# Altium PCB MiniSystem-Pcb-All.PcbDoc (part 8 of 8)
Units mil, origin at the board's own origin, x right, y up, seen from the top; angles counter-clockwise.
Board outline 1732.28 x 669.29 mil, 2 copper layers (Top Layer, Bottom Layer); 690 components, 49 nets, 1630 pads, 330 vias.
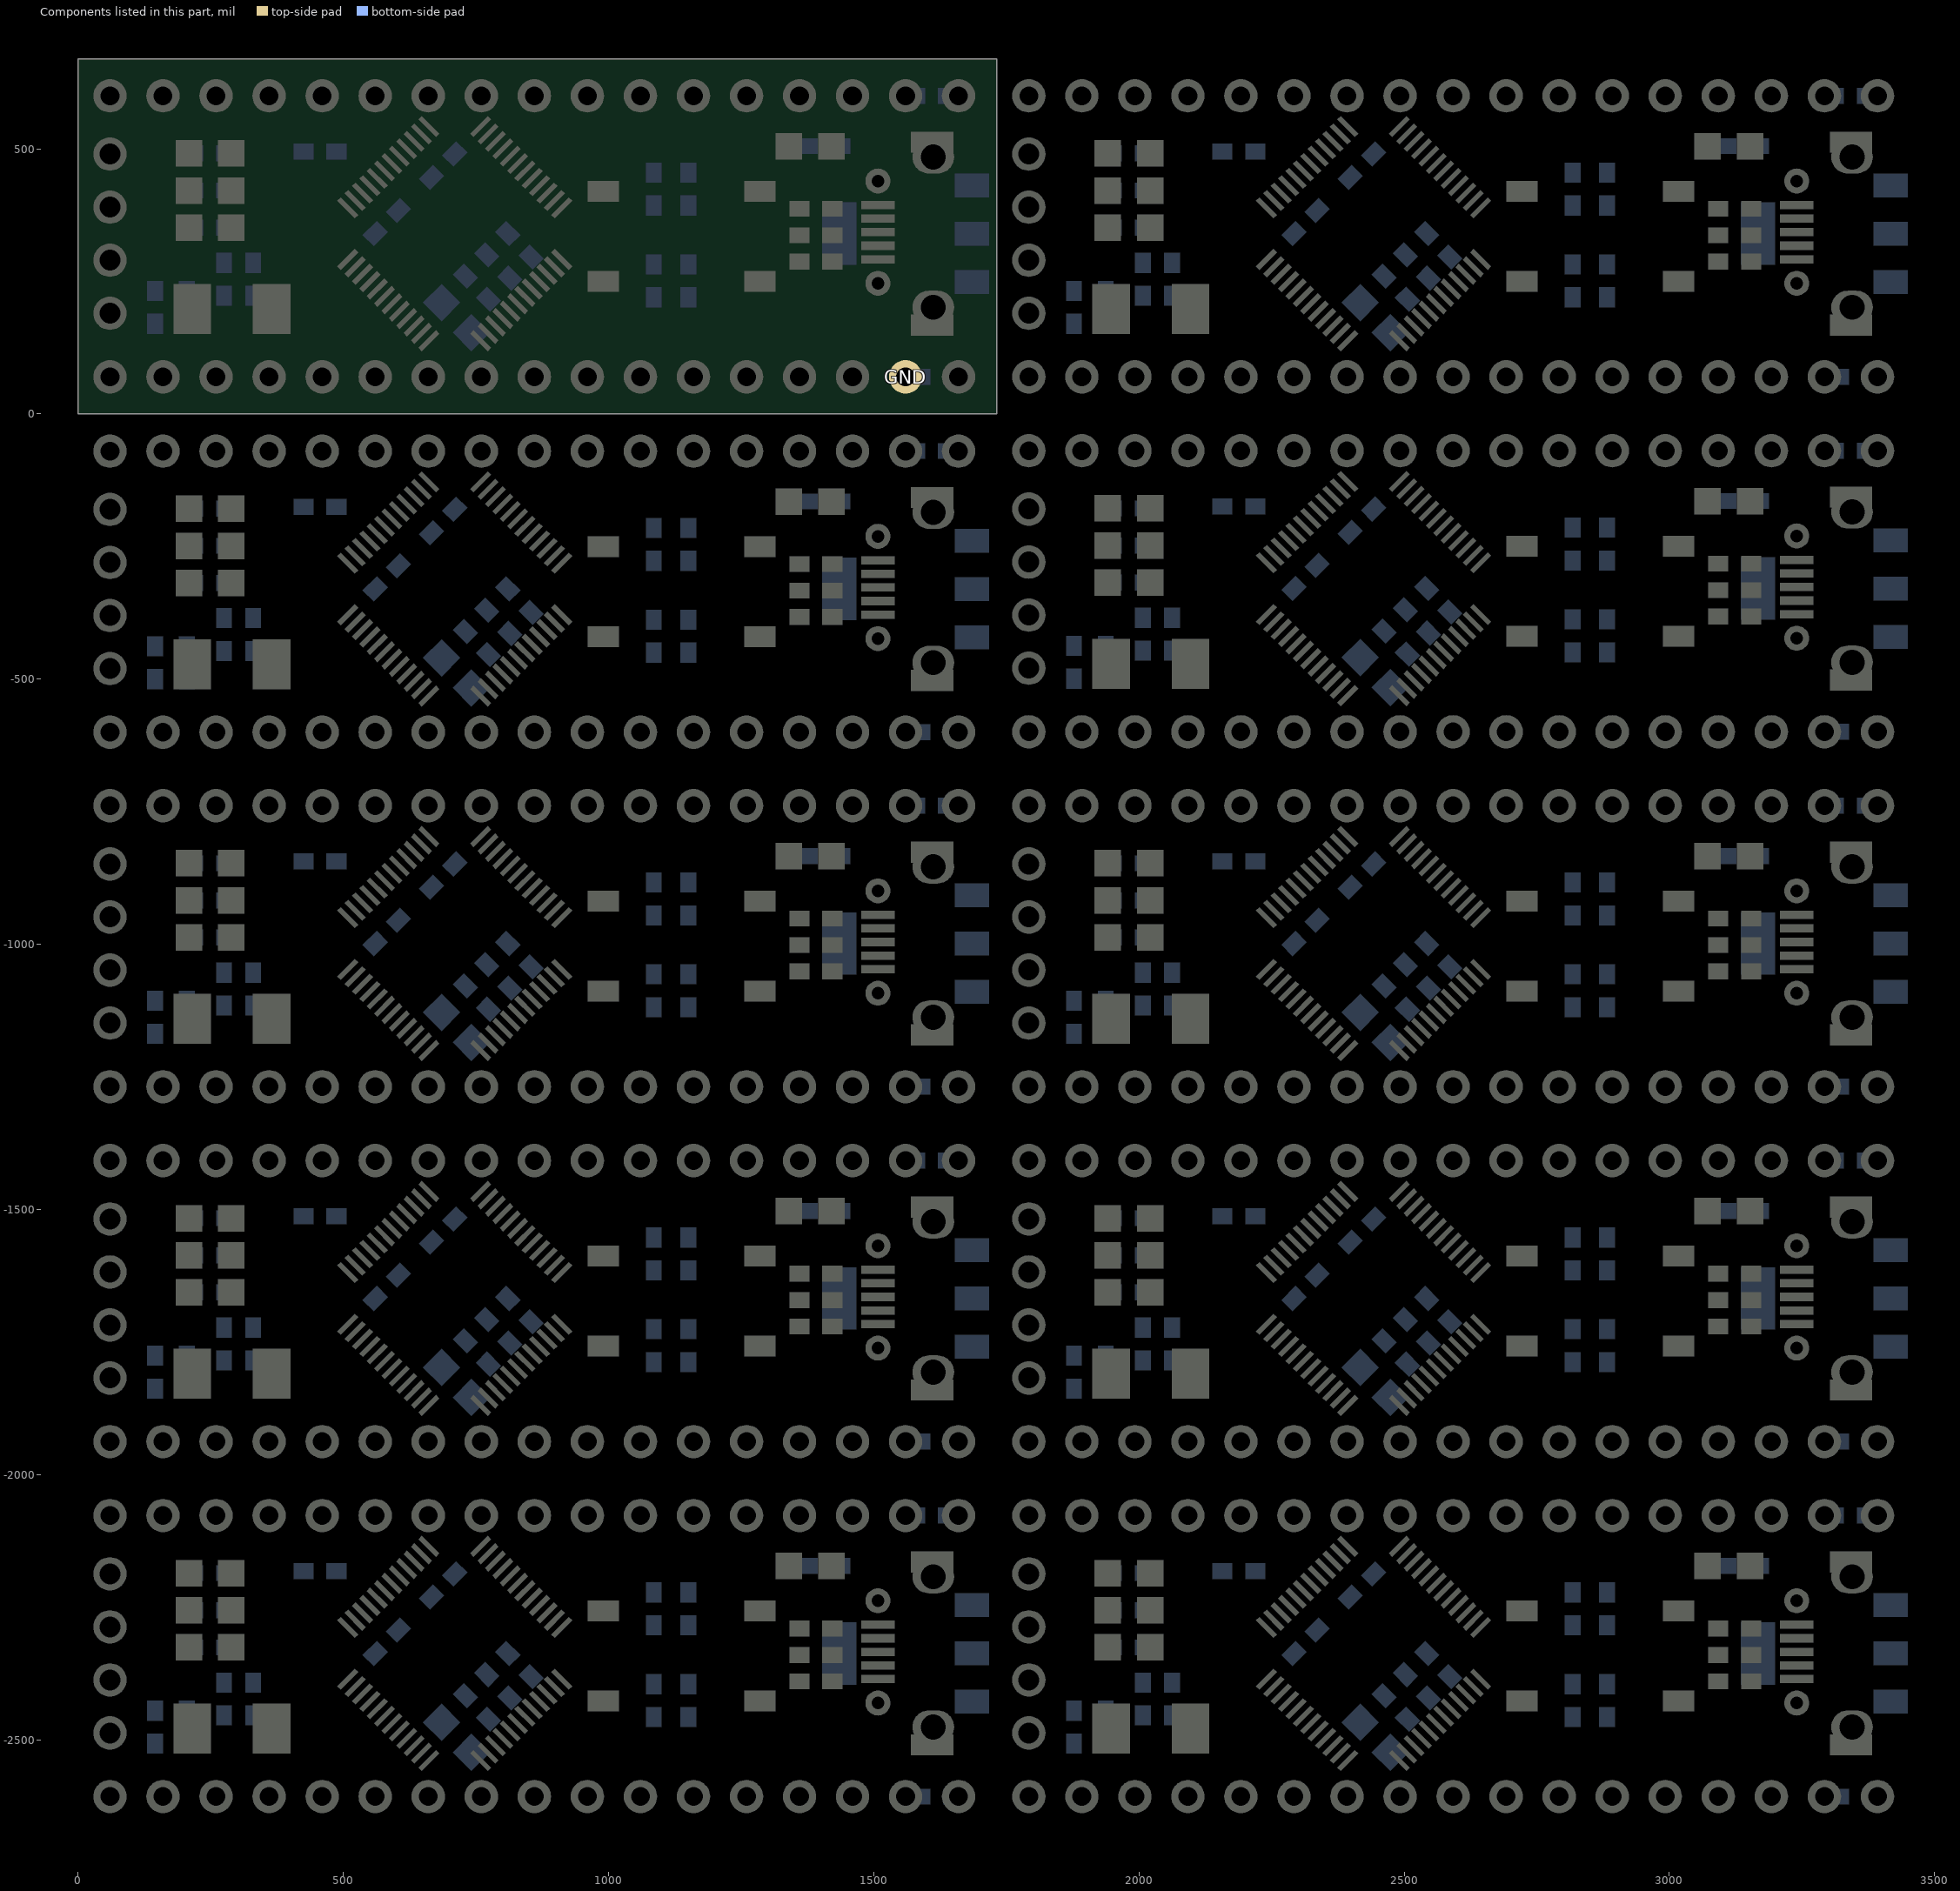
[diagram p8: the components of this part, seen from the top]

## Via types
v1: diameter 24, hole 12, Top Layer to Bottom Layer, 320 vias
v2: diameter 50, hole 30, Top Layer to Bottom Layer, 10 vias

## Nets (pads, with @x,y where several pads share a name; then routed paths per layer and width w, separated by ;. In a path a pad name is that pad's centre, name@x,y a point inside that pad or via, vN(x,y) a via of type N, cw(c..) or ccw(c..) an arc to the next point about the centre after c; other vN are vias at no path point) (continued)
copper on no net: (continued)
  Bottom Layer w10: 621.41,-2275.76 cw(c633.35,-2287.71) 633.35,-2270.81 cw(c633.35,-2287.71) 645.3,-2275.76 cw(c657.25,-2263.81) 640.35,-2263.81 cw(c657.25,-2263.81) 645.3,-2251.86 cw(c633.35,-2239.91) 633.35,-2256.81 cw(c633.35,-2239.91) 621.41,-2251.86 cw(c609.46,-2263.81) 626.35,-2263.81 cw(c609.46,-2263.81) 621.41,-2275.76 ; 621.41,-1606.47 cw(c633.35,-1618.42) 633.35,-1601.52 cw(c633.35,-1618.42) 645.3,-1606.47 cw(c657.25,-1594.52) 640.35,-1594.52 cw(c657.25,-1594.52) 645.3,-1582.57 cw(c633.35,-1570.62) 633.35,-1587.52 cw(c633.35,-1570.62) 621.41,-1582.57 cw(c609.46,-1594.52) 626.35,-1594.52 cw(c609.46,-1594.52) 621.41,-1606.47 ; 621.41,-937.18 cw(c633.35,-949.13) 633.35,-932.23 cw(c633.35,-949.13) 645.3,-937.18 cw(c657.25,-925.23) 640.35,-925.23 cw(c657.25,-925.23) 645.3,-913.28 cw(c633.35,-901.33) 633.35,-918.23 cw(c633.35,-901.33) 621.41,-913.28 cw(c609.46,-925.23) 626.35,-925.23 cw(c609.46,-925.23) 621.41,-937.18 ; 621.41,-268.59 cw(c633.35,-280.54) 633.35,-263.64 cw(c633.35,-280.54) 645.3,-268.59 cw(c657.25,-256.64) 640.35,-256.64 cw(c657.25,-256.64) 645.3,-244.7 cw(c633.35,-232.75) 633.35,-249.64 cw(c633.35,-232.75) 621.41,-244.7 cw(c609.46,-256.64) 626.35,-256.64 cw(c609.46,-256.64) 621.41,-268.59 ; 2353.69,-2275.76 cw(c2365.64,-2287.71) 2365.64,-2270.81 cw(c2365.64,-2287.71) 2377.59,-2275.76 cw(c2389.54,-2263.81) 2372.64,-2263.81 cw(c2389.54,-2263.81) 2377.59,-2251.86 cw(c2365.64,-2239.91) 2365.64,-2256.81 cw(c2365.64,-2239.91) 2353.69,-2251.86 cw(c2341.74,-2263.81) 2358.64,-2263.81 cw(c2341.74,-2263.81) 2353.69,-2275.76 ; 2353.69,-1606.47 cw(c2365.64,-1618.42) 2365.64,-1601.52 cw(c2365.64,-1618.42) 2377.59,-1606.47 cw(c2389.54,-1594.52) 2372.64,-1594.52 cw(c2389.54,-1594.52) 2377.59,-1582.57 cw(c2365.64,-1570.62) 2365.64,-1587.52 cw(c2365.64,-1570.62) 2353.69,-1582.57 cw(c2341.74,-1594.52) 2358.64,-1594.52 cw(c2341.74,-1594.52) 2353.69,-1606.47 ; 2353.69,-937.18 cw(c2365.64,-949.13) 2365.64,-932.23 cw(c2365.64,-949.13) 2377.59,-937.18 cw(c2389.54,-925.23) 2372.64,-925.23 cw(c2389.54,-925.23) 2377.59,-913.28 cw(c2365.64,-901.33) 2365.64,-918.23 cw(c2365.64,-901.33) 2353.69,-913.28 cw(c2341.74,-925.23) 2358.64,-925.23 cw(c2341.74,-925.23) 2353.69,-937.18 ; 2353.69,-267.89 cw(c2365.64,-279.84) 2365.64,-262.94 cw(c2365.64,-279.84) 2377.59,-267.89 cw(c2389.54,-255.94) 2372.64,-255.94 cw(c2389.54,-255.94) 2377.59,-243.99 cw(c2365.64,-232.04) 2365.64,-248.94 cw(c2365.64,-232.04) 2353.69,-243.99 cw(c2341.74,-255.94) 2358.64,-255.94 cw(c2341.74,-255.94) 2353.69,-267.89 ; 2353.69,401.41 cw(c2365.64,389.46) 2365.64,406.36 cw(c2365.64,389.46) 2377.59,401.41 cw(c2389.54,413.36) 2372.64,413.36 cw(c2389.54,413.36) 2377.59,425.3 cw(c2365.64,437.25) 2365.64,420.36 cw(c2365.64,437.25) 2353.69,425.3 cw(c2341.74,413.36) 2358.64,413.36 cw(c2341.74,413.36) 2353.69,401.41
  Bottom Layer w20: 60,-2387.17 80,-2367.17 145,-2367.17 ; 60,-1717.87 80,-1697.87 145,-1697.87 ; 60,-1048.58 80,-1028.58 145,-1028.58 ; 60,-380 80,-360 145,-360 ; 61.18,-2388.09 cw(c104.03,-2421.51) 104.03,-2367.17 ; 61.18,-1718.79 cw(c104.03,-1752.22) 104.03,-1697.87 ; 61.18,-1049.5 cw(c104.03,-1082.93) 104.03,-1028.58 ; 61.18,-380.92 cw(c104.03,-414.35) 104.03,-360 ; 76.95,-2400.39 cw(c145,-2453.47) 145,-2367.17 ; 76.95,-1731.1 cw(c145,-1784.18) 145,-1697.87 ; 76.95,-1061.8 cw(c145,-1114.88) 145,-1028.58 ; 76.95,-393.22 cw(c145,-446.3) 145,-360 ; 205,-2445.17 v1(205,-2397.17) ; 205,-1775.87 v1(205,-1727.87) ; 205,-1106.58 v1(205,-1058.58) ; 205,-438 v1(205,-390) ; 212.23,-2367.17 cw(c212.23,-2450.93) 271.46,-2391.7 ; 212.23,-1697.87 cw(c212.23,-1781.64) 271.46,-1722.41 ; 212.23,-1028.58 cw(c212.23,-1112.35) 271.46,-1053.12 ; 212.23,-360 cw(c212.23,-443.77) 271.46,-384.54 ; 260.51,-2367.17 cw(c260.51,-2402.65) 285.61,-2377.56 ; 260.51,-1697.87 cw(c260.51,-1733.36) 285.61,-1708.27 ; 260.51,-1028.58 cw(c260.51,-1064.07) 285.61,-1038.98 ; 260.51,-360 cw(c260.51,-395.49) 285.61,-370.39 ; 399.99,-2185.87 ccw(c399.99,-2161.16) 417.46,-2178.63 ; 399.99,-1516.57 ccw(c399.99,-1491.87) 417.46,-1509.34 ; 399.99,-847.28 ccw(c399.99,-822.58) 417.46,-840.05 ; 399.99,-178.7 ccw(c399.99,-153.99) 417.46,-171.46 ; 421.3,-2185.87 278.78,-2185.87 275,-2189.65 275,-2367.17 145,-2367.17 ; 421.3,-1516.57 278.78,-1516.57 275,-1520.35 275,-1697.87 145,-1697.87 ; 421.3,-847.28 278.78,-847.28 275,-851.06 275,-1028.58 145,-1028.58 ; 421.3,-178.7 278.78,-178.7 275,-182.48 275,-360 145,-360 ; v1@682.5,-2464.67 730,-2417.17 770,-2377.17 v1(810,-2337.17) ; v1@682.5,-1795.37 730,-1747.87 770,-1707.87 v1(810,-1667.87) ; v1@682.5,-1126.08 730,-1078.58 770,-1038.58 v1(810,-998.58) ; v1@682.5,-457.5 730,-410 770,-370 v1(810,-330) ; 685,-2452.17 ccw(c685,-2428.02) 702.07,-2445.09 ; 685,-1782.87 ccw(c685,-1758.73) 702.07,-1775.8 ; 685,-1113.58 ccw(c685,-1089.44) 702.07,-1106.51 ; 685,-445 ccw(c685,-420.86) 702.07,-437.93 ; 700,-2467.17 cw(c748.28,-2467.17) 714.14,-2433.02 ; 700,-1797.87 cw(c748.28,-1797.87) 714.14,-1763.73 ; 700,-1128.58 cw(c748.28,-1128.58) 714.14,-1094.44 ; 700,-460 cw(c748.28,-460) 714.14,-425.86 ; 741.57,-2523.73 773.84,-2491.46 773.84,-2461.01 ; 741.57,-1854.44 773.84,-1822.17 773.84,-1791.71 ; 741.57,-1185.15 773.84,-1152.88 773.84,-1122.42 ; 741.57,-516.57 773.84,-484.3 773.84,-453.84 ; 753.97,-2511.33 ccw(c710.88,-2468.25) 771.68,-2464.17 ; 753.97,-1842.04 ccw(c710.88,-1798.96) 771.68,-1794.88 ; 753.97,-1172.75 ccw(c710.88,-1129.66) 771.68,-1125.59 ; 753.97,-504.17 ccw(c710.88,-461.08) 771.68,-457 ; 773.84,-2482.73 cw(c795.57,-2482.73) 780.2,-2467.37 ; 773.84,-1813.44 cw(c795.57,-1813.44) 780.2,-1798.08 ; 773.84,-1144.15 cw(c795.57,-1144.15) 780.2,-1128.79 ; 773.84,-475.57 cw(c795.57,-475.57) 780.2,-460.2 ; 813.84,-2421.01 875,-2482.17 1010,-2482.17 1040,-2482.17 1050,-2472.17 1050,-2342.44 1060.28,-2332.17 1085.28,-2332.17 ; 813.84,-1751.71 875,-1812.87 1010,-1812.87 1040,-1812.87 1050,-1802.87 1050,-1673.15 1060.28,-1662.87 1085.28,-1662.87 ; 813.84,-1082.42 875,-1143.58 1010,-1143.58 1040,-1143.58 1050,-1133.58 1050,-1003.86 1060.28,-993.58 1085.28,-993.58 ; 813.84,-413.84 875,-475 1010,-475 1040,-475 1050,-465 1050,-335.28 1060.28,-325 1085.28,-325 ; 1075,-2332.17 1085.28,-2332.17 ; 1075,-1662.87 1085.28,-1662.87 ; 1075,-993.58 1085.28,-993.58 ; 1075,-325 1085.28,-325 ; 1085.28,-2395.17 1085.28,-2332.17 ; 1085.28,-2284.17 1085.28,-2332.17 ; 1085.28,-1725.87 1085.28,-1662.87 ; 1085.28,-1614.87 1085.28,-1662.87 ; 1085.28,-1056.58 1085.28,-993.58 ; 1085.28,-945.58 1085.28,-993.58 ; 1085.28,-388 1085.28,-325 ; 1085.28,-277 1085.28,-325 ; v1(1340,-2172.17) 1375,-2172.17 ; v1(1340,-1502.87) 1375,-1502.87 ; v1(1340,-833.58) 1375,-833.58 ; v1(1340,-165) 1375,-165 ; 1435,-2189.06 cw(c1453.9,-2189.06) 1440.54,-2175.7 ; 1435,-2155.27 ccw(c1453.9,-2155.27) 1440.54,-2168.63 ; 1435,-1519.77 cw(c1453.9,-1519.77) 1440.54,-1506.41 ; 1435,-1485.97 ccw(c1453.9,-1485.97) 1440.54,-1499.34 ; 1435,-850.48 cw(c1453.9,-850.48) 1440.54,-837.12 ; 1435,-816.68 ccw(c1453.9,-816.68) 1440.54,-830.05 ; 1435,-181.9 cw(c1453.9,-181.9) 1440.54,-168.54 ; 1435,-148.1 ccw(c1453.9,-148.1) 1440.54,-161.46 ; 1612.16,-2192.57 1670.41,-2192.57 ; 1612.16,-1523.28 1670.41,-1523.28 ; 1612.16,-853.99 1670.41,-853.99 ; 1612.16,-185.41 1670.41,-185.41 ; v1(1615,-2385.48) v1(1578.32,-2385.48) 1673.32,-2385.48 1685,-2397.17 1685,-2428.17 1685,-2582.17 1660,-2607.17 ; v1(1615,-1716.19) v1(1578.32,-1716.19) 1673.32,-1716.19 1685,-1727.87 1685,-1758.87 1685,-1912.87 1660,-1937.87 ; v1(1615,-1046.9) v1(1578.32,-1046.9) 1673.32,-1046.9 1685,-1058.58 1685,-1089.58 1685,-1243.58 1660,-1268.58 ; v1(1615,-378.32) v1(1578.32,-378.32) 1673.32,-378.32 1685,-390 1685,-421 1685,-575 1660,-600 ; 1635.56,-2207.44 cw(c1670.4,-2240.82) 1670.4,-2192.57 ; 1635.56,-2177.7 ccw(c1670.4,-2144.32) 1670.4,-2192.57 ; 1635.56,-1538.15 cw(c1670.4,-1571.53) 1670.4,-1523.28 ; 1635.56,-1508.41 ccw(c1670.4,-1475.03) 1670.4,-1523.28 ; 1635.56,-868.86 cw(c1670.4,-902.24) 1670.4,-853.99 ; 1635.56,-839.12 ccw(c1670.4,-805.74) 1670.4,-853.99 ; 1635.56,-200.28 cw(c1670.4,-233.66) 1670.4,-185.41 ; 1635.56,-170.54 ccw(c1670.4,-137.15) 1670.4,-185.41 ; 1648.14,-2095.09 cw(c1633.53,-2117.16) 1660,-2117.16 ; 1648.14,-1425.8 cw(c1633.53,-1447.87) 1660,-1447.87 ; 1648.14,-756.51 cw(c1633.53,-778.58) 1660,-778.58 ; 1648.14,-87.93 cw(c1633.53,-110) 1660,-110 ; 1654,-2602.17 ccw(c1654,-2575.61) 1672.78,-2594.39 ; 1654,-1932.87 ccw(c1654,-1906.32) 1672.78,-1925.1 ; 1654,-1263.58 ccw(c1654,-1237.03) 1672.78,-1255.8 ; 1654,-595 ccw(c1654,-568.44) 1672.78,-587.22 ; 1660,-2077.17 1660,-2117.17 ; 1660,-1407.87 1660,-1447.87 ; 1660,-738.58 1660,-778.58 ; 1660,-70 1660,-110 ; 1671.86,-2095.09 ccw(c1686.47,-2117.16) 1660,-2117.16 ; 1671.86,-1425.8 ccw(c1686.47,-1447.87) 1660,-1447.87 ; 1671.86,-756.51 ccw(c1686.47,-778.58) 1660,-778.58 ; 1671.86,-87.93 ccw(c1686.47,-110) 1660,-110 ; 1673.39,-2385.56 cw(c1644.41,-2414.54) 1681.85,-2431.22 ; 1673.39,-1716.27 cw(c1644.41,-1745.25) 1681.85,-1761.93 ; 1673.39,-1046.98 cw(c1644.41,-1075.96) 1681.85,-1092.63 ; 1673.39,-378.39 cw(c1644.41,-407.37) 1681.85,-424.05 ; 1676.16,-2437 cw(c1654.82,-2458.34) 1685,-2458.34 cw(c1715.18,-2458.34) 1693.84,-2437 ; 1676.16,-2419.33 ccw(c1654.82,-2397.99) 1685,-2397.99 ccw(c1715.18,-2397.99) 1693.84,-2419.33 ; 1676.16,-2237.33 ccw(c1654.82,-2215.99) 1685,-2215.99 ccw(c1715.18,-2215.99) 1693.84,-2237.33 ; 1676.16,-1767.71 cw(c1654.82,-1789.05) 1685,-1789.05 cw(c1715.18,-1789.05) 1693.84,-1767.71 ; 1676.16,-1750.04 ccw(c1654.82,-1728.7) 1685,-1728.7 ccw(c1715.18,-1728.7) 1693.84,-1750.04 ; 1676.16,-1568.04 ccw(c1654.82,-1546.7) 1685,-1546.7 ccw(c1715.18,-1546.7) 1693.84,-1568.04 ; 1676.16,-1098.42 cw(c1654.82,-1119.76) 1685,-1119.76 cw(c1715.18,-1119.76) 1693.84,-1098.42 ; 1676.16,-1080.74 ccw(c1654.82,-1059.4) 1685,-1059.4 ccw(c1715.18,-1059.4) 1693.84,-1080.74 ; 1676.16,-898.74 ccw(c1654.82,-877.4) 1685,-877.4 ccw(c1715.18,-877.4) 1693.84,-898.74 ; 1676.16,-429.84 cw(c1654.82,-451.18) 1685,-451.18 cw(c1715.18,-451.18) 1693.84,-429.84 ; 1676.16,-412.16 ccw(c1654.82,-390.82) 1685,-390.82 ccw(c1715.18,-390.82) 1693.84,-412.16 ; 1676.16,-230.16 ccw(c1654.82,-208.82) 1685,-208.82 ccw(c1715.18,-208.82) 1693.84,-230.16 ; 1685,-2246.17 1685,-2207.17 1670.41,-2192.57 ; 1685,-1576.87 1685,-1537.87 1670.41,-1523.28 ; 1685,-907.58 1685,-868.58 1670.41,-853.99 ; 1685,-239 1685,-200 1670.41,-185.41 ; 1693.97,-2406.13 cw(c1672.88,-2427.22) 1700.12,-2439.36 ; 1693.97,-1736.84 cw(c1672.88,-1757.93) 1700.12,-1770.06 ; 1693.97,-1067.55 cw(c1672.88,-1088.64) 1700.12,-1100.77 ; 1693.97,-398.97 cw(c1672.88,-420.05) 1700.12,-432.19 ; 1792.28,-2387.17 1812.28,-2367.17 1877.28,-2367.17 ; 1792.28,-1717.87 1812.28,-1697.87 1877.28,-1697.87 ; 1792.28,-1048.58 1812.28,-1028.58 1877.28,-1028.58 ; 1792.28,-379.29 1812.28,-359.29 1877.28,-359.29 ; 1792.28,290 1812.28,310 1877.28,310 ; 1793.46,-2388.09 cw(c1836.31,-2421.51) 1836.31,-2367.17 ; 1793.46,-1718.79 cw(c1836.31,-1752.22) 1836.31,-1697.87 ; 1793.46,-1049.5 cw(c1836.31,-1082.93) 1836.31,-1028.58 ; 1793.46,-380.21 cw(c1836.31,-413.64) 1836.31,-359.29 ; 1793.46,289.08 cw(c1836.31,255.65) 1836.31,310 ; 1809.23,-2400.39 cw(c1877.28,-2453.47) 1877.28,-2367.17 ; 1809.23,-1731.1 cw(c1877.28,-1784.18) 1877.28,-1697.87 ; 1809.23,-1061.8 cw(c1877.28,-1114.88) 1877.28,-1028.58 ; 1809.23,-392.51 cw(c1877.28,-445.59) 1877.28,-359.29 ; 1809.23,276.78 cw(c1877.28,223.7) 1877.28,310 ; 1937.28,-2445.17 v1(1937.28,-2397.17) ; 1937.28,-1775.87 v1(1937.28,-1727.87) ; 1937.28,-1106.58 v1(1937.28,-1058.58) ; 1937.28,-437.29 v1(1937.28,-389.29) ; 1937.28,232 v1(1937.28,280) ; 1944.51,-2367.17 cw(c1944.51,-2450.93) 2003.75,-2391.7 ; 1944.51,-1697.87 cw(c1944.51,-1781.64) 2003.75,-1722.41 ; 1944.51,-1028.58 cw(c1944.51,-1112.35) 2003.75,-1053.12 ; 1944.51,-359.29 cw(c1944.51,-443.06) 2003.75,-383.83 ; 1944.51,310 cw(c1944.51,226.23) 2003.75,285.46 ; 1992.8,-2367.17 cw(c1992.8,-2402.65) 2017.89,-2377.56 ; 1992.8,-1697.87 cw(c1992.8,-1733.36) 2017.89,-1708.27 ; 1992.8,-1028.58 cw(c1992.8,-1064.07) 2017.89,-1038.98 ; 1992.8,-359.29 cw(c1992.8,-394.78) 2017.89,-369.68 ; 1992.8,310 cw(c1992.8,274.51) 2017.89,299.61 ; 2132.28,-2185.87 ccw(c2132.28,-2161.16) 2149.75,-2178.63 ; 2132.28,-1516.57 ccw(c2132.28,-1491.87) 2149.75,-1509.34 ; 2132.28,-847.28 ccw(c2132.28,-822.58) 2149.75,-840.05 ; 2132.28,-177.99 ccw(c2132.28,-153.29) 2149.75,-170.76 ; 2132.28,491.3 ccw(c2132.28,516.01) 2149.75,498.54 ; 2153.58,-2185.87 2011.06,-2185.87 2007.28,-2189.65 2007.28,-2367.17 1877.28,-2367.17 ; 2153.58,-1516.57 2011.06,-1516.57 2007.28,-1520.35 2007.28,-1697.87 1877.28,-1697.87 ; 2153.58,-847.28 2011.06,-847.28 2007.28,-851.06 2007.28,-1028.58 1877.28,-1028.58 ; 2153.58,-177.99 2011.06,-177.99 2007.28,-181.77 2007.28,-359.29 1877.28,-359.29 ; 2153.58,491.3 2011.06,491.3 2007.28,487.52 2007.28,310 1877.28,310 ; v1@2414.78,-2464.67 2462.28,-2417.17 2502.28,-2377.17 v1(2542.28,-2337.17) ; v1@2414.78,-1795.37 2462.28,-1747.87 2502.28,-1707.87 v1(2542.28,-1667.87) ; v1@2414.78,-1126.08 2462.28,-1078.58 2502.28,-1038.58 v1(2542.28,-998.58) ; v1@2414.78,-456.79 2462.28,-409.29 2502.28,-369.29 v1(2542.28,-329.29) ; v1@2414.78,212.5 2462.28,260 2502.28,300 v1(2542.28,340) ; 2417.28,-2452.17 ccw(c2417.28,-2428.02) 2434.35,-2445.09 ; 2417.28,-1782.87 ccw(c2417.28,-1758.73) 2434.35,-1775.8 ; 2417.28,-1113.58 ccw(c2417.28,-1089.44) 2434.35,-1106.51 ; 2417.28,-444.29 ccw(c2417.28,-420.15) 2434.35,-437.22 ; 2417.28,225 ccw(c2417.28,249.14) 2434.35,232.07 ; 2432.28,-2467.17 cw(c2480.57,-2467.17) 2446.43,-2433.02 ; 2432.28,-1797.87 cw(c2480.57,-1797.87) 2446.43,-1763.73 ; 2432.28,-1128.58 cw(c2480.57,-1128.58) 2446.43,-1094.44 ; 2432.28,-459.29 cw(c2480.57,-459.29) 2446.43,-425.15 ; 2432.28,210 cw(c2480.57,210) 2446.43,244.14 ; 2473.85,-2523.73 2506.12,-2491.46 2506.12,-2461.01 ; 2473.85,-1854.44 2506.12,-1822.17 2506.12,-1791.71 ; 2473.85,-1185.15 2506.12,-1152.88 2506.12,-1122.42 ; 2473.85,-515.86 2506.12,-483.59 2506.12,-453.13 ; 2473.85,153.43 2506.12,185.7 2506.12,216.16 ; 2486.25,-2511.33 ccw(c2443.17,-2468.25) 2503.96,-2464.17 ; 2486.25,-1842.04 ccw(c2443.17,-1798.96) 2503.96,-1794.88 ; 2486.25,-1172.75 ccw(c2443.17,-1129.66) 2503.96,-1125.59 ; 2486.25,-503.46 ccw(c2443.17,-460.37) 2503.96,-456.29 ; 2486.25,165.83 ccw(c2443.17,208.92) 2503.96,213 ; 2506.12,-2482.73 cw(c2527.85,-2482.73) 2512.49,-2467.37 ; 2506.12,-1813.44 cw(c2527.85,-1813.44) 2512.49,-1798.08 ; 2506.12,-1144.15 cw(c2527.85,-1144.15) 2512.49,-1128.79 ; 2506.12,-474.86 cw(c2527.85,-474.86) 2512.49,-459.5 ; 2506.12,194.43 cw(c2527.85,194.43) 2512.49,209.8 ; 2546.12,-2421.01 2607.28,-2482.17 2742.28,-2482.17 2772.28,-2482.17 2782.28,-2472.17 2782.28,-2342.44 2792.56,-2332.17 2817.56,-2332.17 ; 2546.12,-1751.71 2607.28,-1812.87 2742.28,-1812.87 2772.28,-1812.87 2782.28,-1802.87 2782.28,-1673.15 2792.56,-1662.87 2817.56,-1662.87 ; 2546.12,-1082.42 2607.28,-1143.58 2742.28,-1143.58 2772.28,-1143.58 2782.28,-1133.58 2782.28,-1003.86 2792.56,-993.58 2817.56,-993.58 ; 2546.12,-413.13 2607.28,-474.29 2742.28,-474.29 2772.28,-474.29 2782.28,-464.29 2782.28,-334.57 2792.56,-324.29 2817.56,-324.29 ; 2546.12,256.16 2607.28,195 2742.28,195 2772.28,195 2782.28,205 2782.28,334.72 2792.56,345 2817.56,345 ; 2807.28,-2332.17 2817.56,-2332.17 ; 2807.28,-1662.87 2817.56,-1662.87 ; 2807.28,-993.58 2817.56,-993.58 ; 2807.28,-324.29 2817.56,-324.29 ; 2807.28,345 2817.56,345 ; 2817.56,-2395.17 2817.56,-2332.17 ; 2817.56,-2284.17 2817.56,-2332.17 ; 2817.56,-1725.87 2817.56,-1662.87 ; 2817.56,-1614.87 2817.56,-1662.87 ; 2817.56,-1056.58 2817.56,-993.58 ; 2817.56,-945.58 2817.56,-993.58 ; 2817.56,-387.29 2817.56,-324.29 ; 2817.56,-276.29 2817.56,-324.29 ; 2817.56,282 2817.56,345 ; 2817.56,393 2817.56,345 ; v1(3072.28,-2172.17) 3107.28,-2172.17 ; v1(3072.28,-1502.87) 3107.28,-1502.87 ; v1(3072.28,-833.58) 3107.28,-833.58 ; v1(3072.28,-164.29) 3107.28,-164.29 ; v1(3072.28,505) 3107.28,505 ; 3167.28,-2189.06 cw(c3186.18,-2189.06) 3172.82,-2175.7 ; 3167.28,-2155.27 ccw(c3186.18,-2155.27) 3172.82,-2168.63 ; 3167.28,-1519.77 cw(c3186.18,-1519.77) 3172.82,-1506.41 ; 3167.28,-1485.97 ccw(c3186.18,-1485.97) 3172.82,-1499.34 ; 3167.28,-850.48 cw(c3186.18,-850.48) 3172.82,-837.12 ; 3167.28,-816.68 ccw(c3186.18,-816.68) 3172.82,-830.05 ; 3167.28,-181.19 cw(c3186.18,-181.19) 3172.82,-167.83 ; 3167.28,-147.39 ccw(c3186.18,-147.39) 3172.82,-160.76 ; 3167.28,488.1 cw(c3186.18,488.1) 3172.82,501.46 ; 3167.28,521.9 ccw(c3186.18,521.9) 3172.82,508.54 ; 3344.45,-2192.57 3402.69,-2192.57 ; 3344.45,-1523.28 3402.69,-1523.28 ; 3344.45,-853.99 3402.69,-853.99 ; 3344.45,-184.7 3402.69,-184.7 ; 3344.45,484.59 3402.69,484.59 ; v1(3347.28,-2385.48) v1(3310.6,-2385.48) 3405.6,-2385.48 3417.28,-2397.17 3417.28,-2428.17 3417.28,-2582.17 3392.28,-2607.17 ; v1(3347.28,-1716.19) v1(3310.6,-1716.19) 3405.6,-1716.19 3417.28,-1727.87 3417.28,-1758.87 3417.28,-1912.87 3392.28,-1937.87 ; v1(3347.28,-1046.9) v1(3310.6,-1046.9) 3405.6,-1046.9 3417.28,-1058.58 3417.28,-1089.58 3417.28,-1243.58 3392.28,-1268.58 ; v1(3347.28,-377.61) v1(3310.6,-377.61) 3405.6,-377.61 3417.28,-389.29 3417.28,-420.29 3417.28,-574.29 3392.28,-599.29 ; v1(3347.28,291.68) v1(3310.6,291.68) 3405.6,291.68 3417.28,280 3417.28,249 3417.28,95 3392.28,70 ; 3367.84,-2207.44 cw(c3402.69,-2240.82) 3402.69,-2192.57 ; 3367.84,-2177.7 ccw(c3402.69,-2144.32) 3402.69,-2192.57 ; 3367.84,-1538.15 cw(c3402.69,-1571.53) 3402.69,-1523.28 ; 3367.84,-1508.41 ccw(c3402.69,-1475.03) 3402.69,-1523.28 ; 3367.84,-868.86 cw(c3402.69,-902.24) 3402.69,-853.99 ; 3367.84,-839.12 ccw(c3402.69,-805.74) 3402.69,-853.99 ; 3367.84,-199.57 cw(c3402.69,-232.95) 3402.69,-184.7 ; 3367.84,-169.83 ccw(c3402.69,-136.45) 3402.69,-184.7 ; 3367.84,469.72 cw(c3402.69,436.34) 3402.69,484.59 ; 3367.84,499.46 ccw(c3402.69,532.85) 3402.69,484.59 ; 3380.42,-2095.09 cw(c3365.82,-2117.16) 3392.28,-2117.16 ; 3380.42,-1425.8 cw(c3365.82,-1447.87) 3392.28,-1447.87 ; 3380.42,-756.51 cw(c3365.82,-778.58) 3392.28,-778.58 ; 3380.42,-87.22 cw(c3365.82,-109.29) 3392.28,-109.29 ; 3380.42,582.07 cw(c3365.82,560) 3392.28,560 ; 3386.28,-2602.17 ccw(c3386.28,-2575.61) 3405.06,-2594.39 ; 3386.28,-1932.87 ccw(c3386.28,-1906.32) 3405.06,-1925.1 ; 3386.28,-1263.58 ccw(c3386.28,-1237.03) 3405.06,-1255.8 ; 3386.28,-594.29 ccw(c3386.28,-567.74) 3405.06,-586.51 ; 3386.28,75 ccw(c3386.28,101.56) 3405.06,82.78 ; 3392.28,-2077.17 3392.28,-2117.17 ; 3392.28,-1407.87 3392.28,-1447.87 ; 3392.28,-738.58 3392.28,-778.58 ; 3392.28,-69.29 3392.28,-109.29 ; 3392.28,600 3392.28,560 ; 3404.15,-2095.09 ccw(c3418.75,-2117.16) 3392.28,-2117.16 ; 3404.15,-1425.8 ccw(c3418.75,-1447.87) 3392.28,-1447.87 ; 3404.15,-756.51 ccw(c3418.75,-778.58) 3392.28,-778.58 ; 3404.15,-87.22 ccw(c3418.75,-109.29) 3392.28,-109.29 ; 3404.15,582.07 ccw(c3418.75,560) 3392.28,560 ; 3405.68,-2385.56 cw(c3376.7,-2414.54) 3414.13,-2431.22 ; 3405.68,-1716.27 cw(c3376.7,-1745.25) 3414.13,-1761.93 ; 3405.68,-1046.98 cw(c3376.7,-1075.96) 3414.13,-1092.63 ; 3405.68,-377.68 cw(c3376.7,-406.67) 3414.13,-423.34 ; 3405.68,291.61 cw(c3376.7,262.63) 3414.13,245.95 ; 3408.44,-2437 cw(c3387.11,-2458.34) 3417.28,-2458.34 cw(c3447.46,-2458.34) 3426.12,-2437 ; 3408.44,-2419.33 ccw(c3387.11,-2397.99) 3417.28,-2397.99 ccw(c3447.46,-2397.99) 3426.12,-2419.33 ; 3408.44,-2237.33 ccw(c3387.11,-2215.99) 3417.28,-2215.99 ccw(c3447.46,-2215.99) 3426.12,-2237.33 ; 3408.44,-1767.71 cw(c3387.11,-1789.05) 3417.28,-1789.05 cw(c3447.46,-1789.05) 3426.12,-1767.71 ; 3408.44,-1750.04 ccw(c3387.11,-1728.7) 3417.28,-1728.7 ccw(c3447.46,-1728.7) 3426.12,-1750.04 ; 3408.44,-1568.04 ccw(c3387.11,-1546.7) 3417.28,-1546.7 ccw(c3447.46,-1546.7) 3426.12,-1568.04 ; 3408.44,-1098.42 cw(c3387.11,-1119.76) 3417.28,-1119.76 cw(c3447.46,-1119.76) 3426.12,-1098.42 ; 3408.44,-1080.74 ccw(c3387.11,-1059.4) 3417.28,-1059.4 ccw(c3447.46,-1059.4) 3426.12,-1080.74 ; 3408.44,-898.74 ccw(c3387.11,-877.4) 3417.28,-877.4 ccw(c3447.46,-877.4) 3426.12,-898.74 ; 3408.44,-429.13 cw(c3387.11,-450.47) 3417.28,-450.47 cw(c3447.46,-450.47) 3426.12,-429.13 ; 3408.44,-411.45 ccw(c3387.11,-390.11) 3417.28,-390.11 ccw(c3447.46,-390.11) 3426.12,-411.45 ; 3408.44,-229.45 ccw(c3387.11,-208.11) 3417.28,-208.11 ccw(c3447.46,-208.11) 3426.12,-229.45 ; 3408.44,240.16 cw(c3387.11,218.82) 3417.28,218.82 cw(c3447.46,218.82) 3426.12,240.16 ; 3408.44,257.84 ccw(c3387.11,279.18) 3417.28,279.18 ccw(c3447.46,279.18) 3426.12,257.84 ; 3408.44,439.84 ccw(c3387.11,461.18) 3417.28,461.18 ccw(c3447.46,461.18) 3426.12,439.84 ; 3417.28,-2246.17 3417.28,-2207.17 3402.69,-2192.57 ; 3417.28,-1576.87 3417.28,-1537.87 3402.69,-1523.28 ; 3417.28,-907.58 3417.28,-868.58 3402.69,-853.99 ; 3417.28,-238.29 3417.28,-199.29 3402.69,-184.7 ; 3417.28,431 3417.28,470 3402.69,484.59 ; 3426.25,-2406.13 cw(c3405.16,-2427.22) 3432.4,-2439.36 ; 3426.25,-1736.84 cw(c3405.16,-1757.93) 3432.4,-1770.06 ; 3426.25,-1067.55 cw(c3405.16,-1088.64) 3432.4,-1100.77 ; 3426.25,-398.26 cw(c3405.16,-419.35) 3432.4,-431.48 ; 3426.25,271.03 cw(c3405.16,249.95) 3432.4,237.81 ; 1085.28,-2332.17 1430,-2332.17 1435,-2337.17 v1(1435,-2232.17) ; 1085.28,-1662.87 1430,-1662.87 1435,-1667.87 v1(1435,-1562.87) ; 1085.28,-993.58 1430,-993.58 1435,-998.58 v1(1435,-893.58) ; 1085.28,-325 1430,-325 1435,-330 v1(1435,-225) ; v1(1435,-2232.17) 1390,-2232.17 v1(1360,-2232.17) v1(1435,-2232.17) ; v1(1435,-2232.17) 1435,-2152.17 1455,-2132.17 1555,-2132.17 1645,-2132.17 1660,-2117.17 ; v1(1435,-1562.87) 1390,-1562.87 v1(1360,-1562.87) v1(1435,-1562.87) ; v1(1435,-1562.87) 1435,-1482.87 1455,-1462.87 1555,-1462.87 1645,-1462.87 1660,-1447.87 ; v1(1435,-893.58) 1390,-893.58 v1(1360,-893.58) v1(1435,-893.58) ; v1(1435,-893.58) 1435,-813.58 1455,-793.58 1555,-793.58 1645,-793.58 1660,-778.58 ; v1(1435,-225) 1390,-225 v1(1360,-225) v1(1435,-225) ; v1(1435,-225) 1435,-145 1455,-125 1555,-125 1645,-125 1660,-110 ; 2817.56,-2332.17 3162.28,-2332.17 3167.28,-2337.17 v1(3167.28,-2232.17) ; 2817.56,-1662.87 3162.28,-1662.87 3167.28,-1667.87 v1(3167.28,-1562.87) ; 2817.56,-993.58 3162.28,-993.58 3167.28,-998.58 v1(3167.28,-893.58) ; 2817.56,-324.29 3162.28,-324.29 3167.28,-329.29 v1(3167.28,-224.29) ; 2817.56,345 3162.28,345 3167.28,340 v1(3167.28,445) ; v1(3167.28,-2232.17) 3122.28,-2232.17 v1(3092.28,-2232.17) v1(3167.28,-2232.17) ; v1(3167.28,-2232.17) 3167.28,-2152.17 3187.28,-2132.17 3287.28,-2132.17 3377.28,-2132.17 3392.28,-2117.17 ; v1(3167.28,-1562.87) 3122.28,-1562.87 v1(3092.28,-1562.87) v1(3167.28,-1562.87) ; v1(3167.28,-1562.87) 3167.28,-1482.87 3187.28,-1462.87 3287.28,-1462.87 3377.28,-1462.87 3392.28,-1447.87 ; v1(3167.28,-893.58) 3122.28,-893.58 v1(3092.28,-893.58) v1(3167.28,-893.58) ; v1(3167.28,-893.58) 3167.28,-813.58 3187.28,-793.58 3287.28,-793.58 3377.28,-793.58 3392.28,-778.58 ; v1(3167.28,-224.29) 3122.28,-224.29 v1(3092.28,-224.29) v1(3167.28,-224.29) ; v1(3167.28,-224.29) 3167.28,-144.29 3187.28,-124.29 3287.28,-124.29 3377.28,-124.29 3392.28,-109.29 ; v1(3167.28,445) 